# Allegro board BeagleBoard-X15_RevA2.brd (continued)
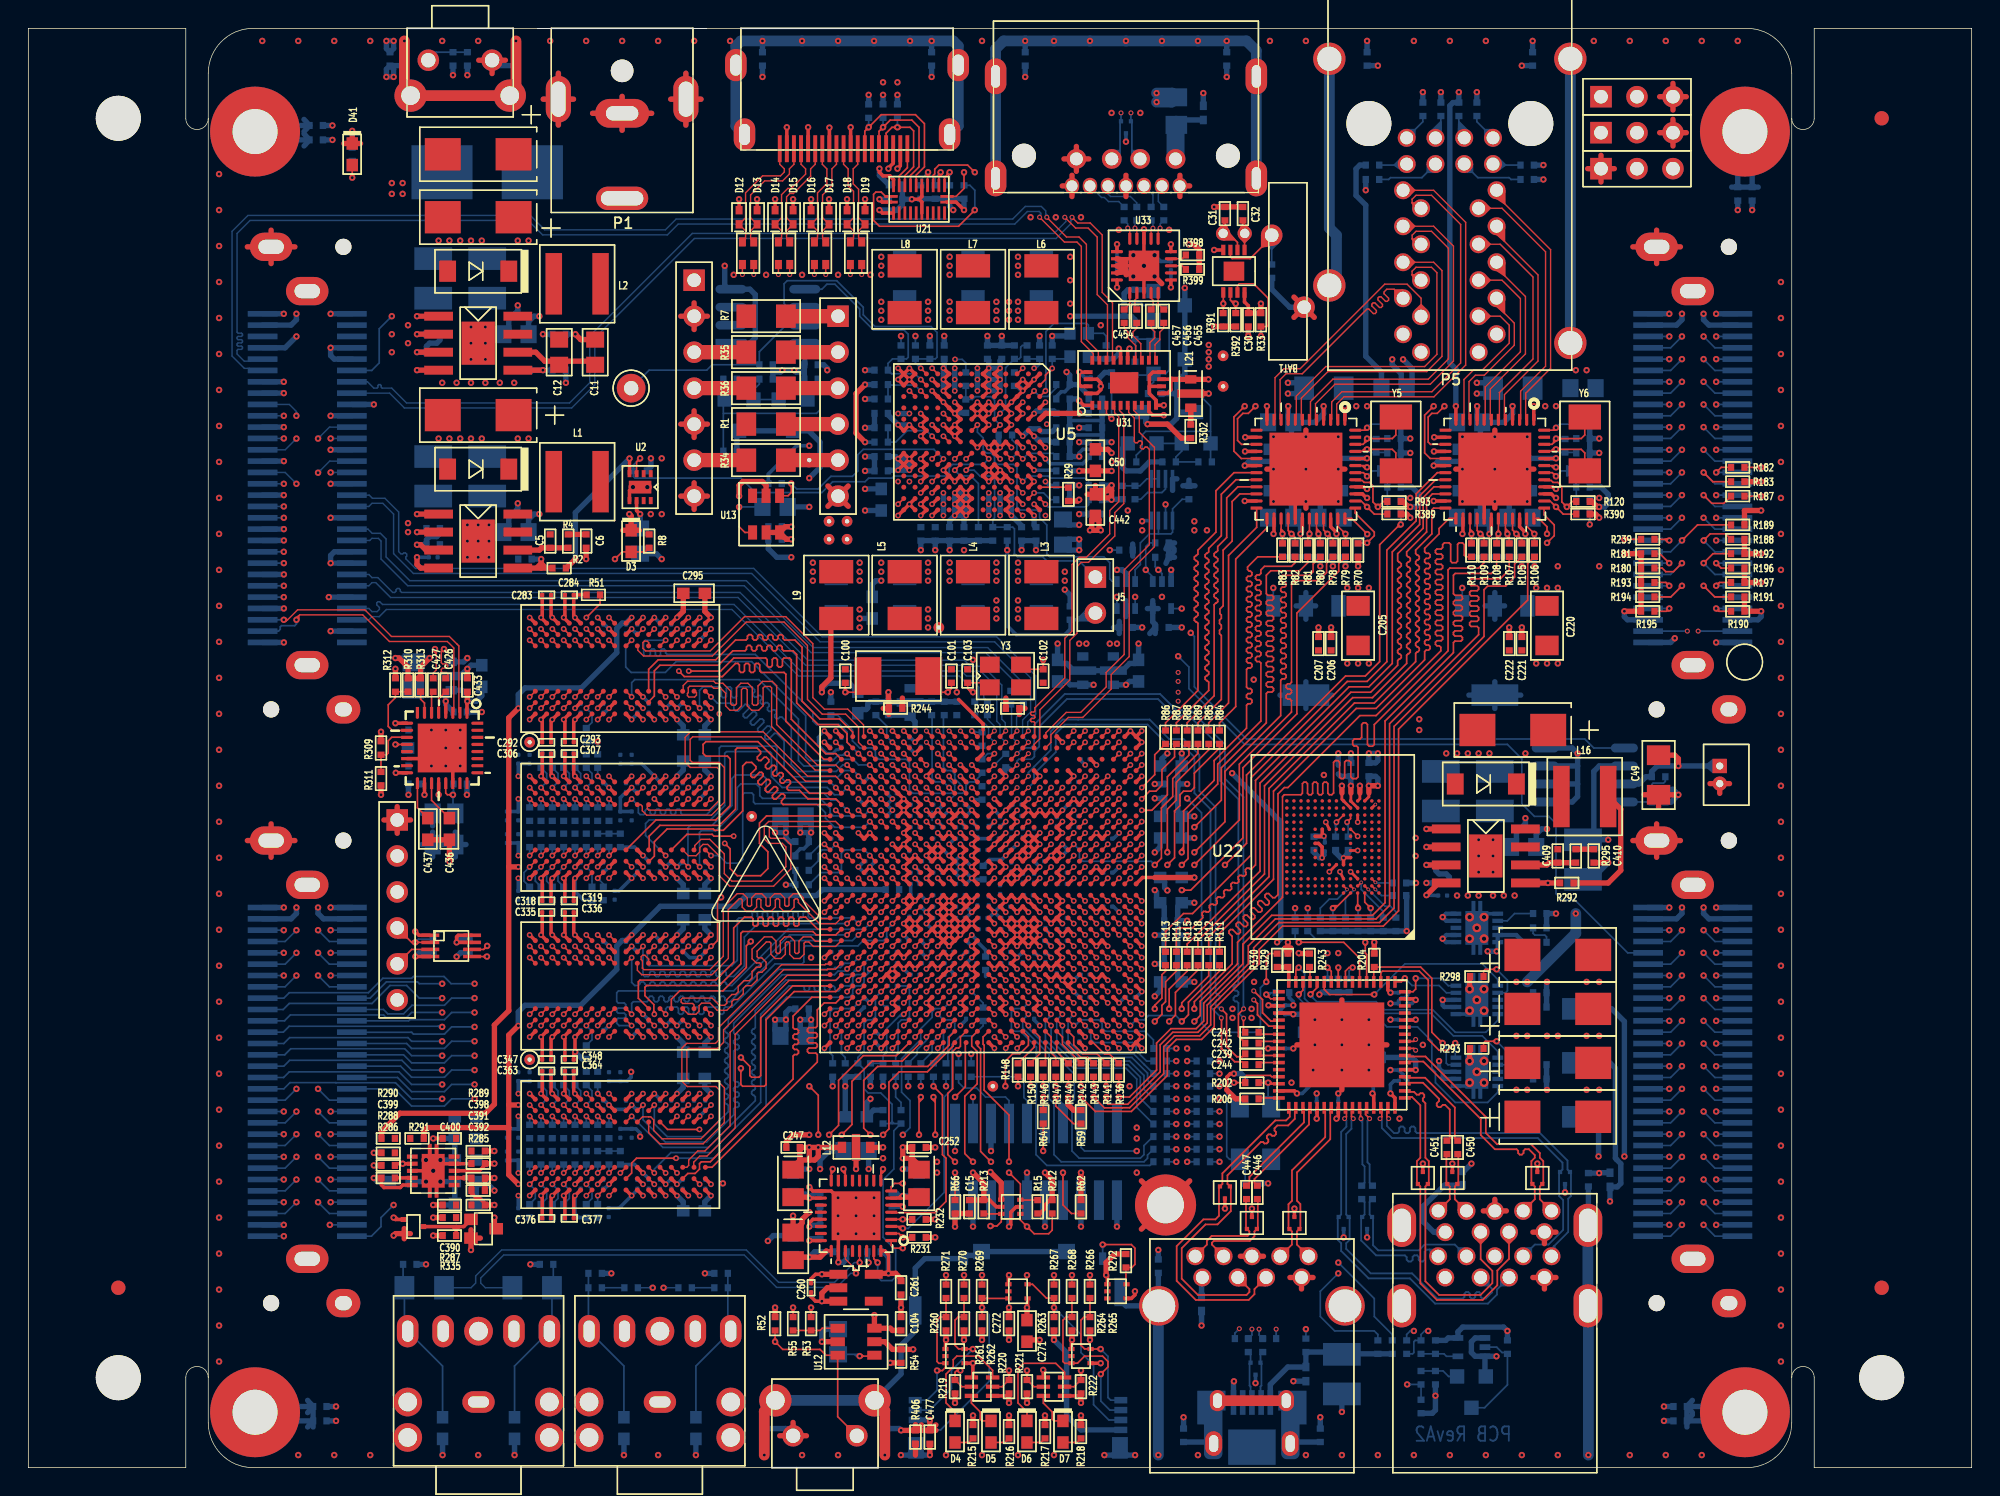
[diagram p0: board, top side]
## Copper pours and planes (outline as drawn; the poured copper is in the pictures) (continued)
DDR_VREFSTL2 on SIG_L5: 38.1,19.94 38.35,19.68 38.86,19.68 39.12,19.94 39.12,21.46 38.99,21.59 37.85,21.59 37.85,21.46 38.1,21.21
E0_DVDDL on PWR_L7: 85.22,65.15 85.22,74.17 85.47,74.42 94.87,74.42 95.12,74.17 95.12,65.15 94.87,64.9 85.47,64.9
E1_DVDDL on PWR_L7: 98.55,65.15 98.55,74.17 98.81,74.42 108.2,74.42 108.46,74.17 108.46,65.15 108.2,64.9 98.81,64.9
ETH0_1.2V on BOTTOM: 83.06,51.82 82.55,52.32 82.55,66.17 84.58,68.2 84.58,73.53 85.34,74.3 87.38,74.3 87.63,74.04 87.63,73.53 87.38,73.28 85.6,73.28 85.34,73.03 85.34,70.36 85.6,70.1 86.49,70.1 86.74,69.85 86.74,67.56 87.5,67.56 87.76,67.31 87.76,66.8 87.5,66.55 87.5,65.66 88.01,65.15 88.01,63.88 90.3,63.88 90.93,63.25 94.11,63.25 94.36,63.5 94.36,66.04 94.11,66.29 93.35,66.29 93.09,66.55 92.84,66.55 92.58,66.8 92.58,67.31 92.84,67.56 96.77,67.56 97.03,67.31 97.03,66.55 97.28,66.29 97.28,52.07 97.03,51.82 ; 3 cut-outs
ETH0_3V3 on TOP: 94.74,62.1 94.74,60.58 94.61,60.45 93.09,60.45 92.96,60.58 92.96,62.1 93.09,62.23 94.61,62.23
ETH0_3V3 on BOTTOM: 92.33,74.93 92.58,74.68 95.63,74.68 95.89,74.93 95.89,76.58 95.63,76.83 92.58,76.83 92.33,76.58
ETH0_3V3 on BOTTOM: 94.61,62.23 94.74,62.1 94.74,60.33 94.49,60.07 92.2,60.07 91.95,60.33 91.95,61.98 92.2,62.23
ETH0_3V3 on PWR_L6: 86.49,60.07 85.34,61.21 85.34,84.84 85.6,85.09 98.04,85.09 98.3,84.84 98.3,60.33 98.04,60.07
ETH1_1.2V on BOTTOM: 97.54,52.07 97.54,66.29 98.3,67.06 98.3,68.83 98.04,69.09 98.04,73.53 98.81,74.3 100.84,74.3 101.09,74.04 101.09,73.53 100.84,73.28 99.06,73.28 98.81,73.03 98.81,70.36 99.06,70.1 99.82,70.1 100.08,69.85 100.08,67.56 100.84,67.56 101.09,67.31 101.09,66.8 100.84,66.55 100.84,65.66 101.35,65.15 101.35,63.88 104.52,63.88 105.16,63.25 106.55,63.25 106.81,63.5 106.81,66.29 106.55,66.55 106.17,66.55 105.92,66.8 105.92,67.31 106.17,67.56 111.51,67.56 111.76,67.31 111.76,52.07 111.51,51.82 97.79,51.82 ; 2 cut-outs
ETH1_3V3 on TOP: 108.08,62.1 108.08,60.58 107.95,60.45 106.43,60.45 106.3,60.58 106.3,62.1 106.43,62.23 107.95,62.23
ETH1_3V3 on BOTTOM: 105.66,74.93 105.92,74.68 108.97,74.68 109.22,74.93 109.22,76.58 108.97,76.83 105.92,76.83 105.66,76.58
ETH1_3V3 on BOTTOM: 107.95,62.23 108.08,62.1 108.08,60.33 107.82,60.07 105.54,60.07 105.28,60.33 105.28,61.98 105.54,62.23
ETH1_3V3 on PWR_L6: 111.51,60.33 111.25,60.07 98.81,60.07 98.55,60.33 98.55,84.84 98.81,85.09 111.25,85.09 111.51,84.84
LDO_VRTC on BOTTOM (solid shape): 75.34,60.34 74.84,59.85 74.08,59.85 73.99,59.94 74.77,60.72
LDO_VRTC on SIG_L10: 67.44,47.37 67.44,54.61 73.53,60.71 75.31,60.71 75.56,60.45 75.56,60.2 75.31,59.94 73.91,59.94 68.83,54.86 68.83,47.37 68.45,46.99 67.82,46.99
MMC2_3V3 on PWR_L6: 97.16,37.47 86.74,37.47 86.49,37.72 86.49,59.56 86.74,59.82 97.16,59.82 97.41,59.56 97.41,37.72
Net_142 on PWR_L6: 10.67,0.38 10.67,6.99 11.18,7.49 12.32,7.49 12.32,94.11 11.18,94.11 10.67,94.61 10.67,101.22 0.38,101.22 0.38,0.38
Net_143 on GND_L11: 10.67,0.38 10.67,6.99 11.18,7.49 12.32,7.49 12.32,94.11 11.18,94.11 10.67,94.61 10.67,101.22 0.38,101.22 0.38,0.38
Net_144 on GND_L11: 126.49,0.38 126.49,6.99 125.98,7.49 124.84,7.49 124.84,94.11 125.98,94.11 126.49,94.61 126.49,101.22 136.78,101.22 136.78,0.38
Net_145 on SIG_L10: 10.67,0.38 10.67,6.99 11.18,7.49 12.32,7.49 12.32,94.11 11.18,94.11 10.67,94.61 10.67,101.22 0.38,101.22 0.38,0.38
Net_146 on SIG_L10: 126.49,0.38 126.49,6.99 125.98,7.49 124.84,7.49 124.84,94.11 125.98,94.11 126.49,94.61 126.49,101.22 136.78,101.22 136.78,0.38
Net_147 on GND_L9: 10.67,0.38 10.67,6.99 11.18,7.49 12.32,7.49 12.32,94.11 11.18,94.11 10.67,94.61 10.67,101.22 0.38,101.22 0.38,0.38
Net_148 on GND_L9: 126.49,0.38 126.49,6.99 125.98,7.49 124.84,7.49 124.84,94.11 125.98,94.11 126.49,94.61 126.49,101.22 136.78,101.22 136.78,0.38
Net_149 on SIG_L8: 10.67,0.38 10.67,6.99 11.18,7.49 12.32,7.49 12.32,94.11 11.18,94.11 10.67,94.61 10.67,101.22 0.38,101.22 0.38,0.38
Net_150 on SIG_L8: 126.49,0.38 126.49,6.99 125.98,7.49 124.84,7.49 124.84,94.11 125.98,94.11 126.49,94.61 126.49,101.22 136.78,101.22 136.78,0.38
Net_151 on PWR_L7: 10.67,0.38 10.67,6.99 11.18,7.49 12.32,7.49 12.32,94.11 11.18,94.11 10.67,94.61 10.67,101.22 0.38,101.22 0.38,0.38
Net_152 on PWR_L7: 126.49,0.38 126.49,6.99 125.98,7.49 124.84,7.49 124.84,94.11 125.98,94.11 126.49,94.61 126.49,101.22 136.78,101.22 136.78,0.38
Net_153 on PWR_L6: 126.49,0.38 126.49,6.99 125.98,7.49 124.84,7.49 124.84,94.11 125.98,94.11 126.49,94.61 126.49,101.22 136.78,101.22 136.78,0.38
Net_154 on SIG_L5: 10.67,0.38 10.67,6.99 11.18,7.49 12.32,7.49 12.32,94.11 11.18,94.11 10.67,94.61 10.67,101.22 0.38,101.22 0.38,0.38
Net_155 on SIG_L5: 126.49,0.38 126.49,6.99 125.98,7.49 124.84,7.49 124.84,94.11 125.98,94.11 126.49,94.61 126.49,101.22 136.78,101.22 136.78,0.38
Net_156 on GND_L4: 10.67,0.38 10.67,6.99 11.18,7.49 12.32,7.49 12.32,94.11 11.18,94.11 10.67,94.61 10.67,101.22 0.38,101.22 0.38,0.38
Net_157 on GND_L4: 126.49,0.38 126.49,6.99 125.98,7.49 124.84,7.49 124.84,94.11 125.98,94.11 126.49,94.61 126.49,101.22 136.78,101.22 136.78,0.38
Net_158 on INT_L3: 126.49,0.38 126.49,6.99 125.98,7.49 124.84,7.49 124.84,94.11 125.98,94.11 126.49,94.61 126.49,101.22 136.78,101.22 136.78,0.38
Net_159 on INT_L3: 10.67,0.38 10.67,6.99 11.18,7.49 12.32,7.49 12.32,94.11 11.18,94.11 10.67,94.61 10.67,101.22 0.38,101.22 0.38,0.38
Net_160 on GND_L2: 10.67,0.38 10.67,6.99 11.18,7.49 12.32,7.49 12.32,94.11 11.18,94.11 10.67,94.61 10.67,101.22 0.38,101.22 0.38,0.38
Net_160 on GND_L2: 126.49,0.38 126.49,6.99 125.98,7.49 124.84,7.49 124.84,94.11 125.98,94.11 126.49,94.61 126.49,101.22 136.78,101.22 136.78,0.38
PS_3V3 on TOP: 43.43,70.1 43.31,70.23 43.31,70.74 43.56,70.99 43.56,71.25 43.81,71.5 44.7,71.5 44.96,71.25 44.96,70.36 44.7,70.1
PS_3V3 on PWR_L6: 32.26,58.55 36.2,62.48 54.36,62.48 54.61,62.74 54.61,72.01 54.99,72.39 58.29,72.39 58.67,72.01 58.67,66.8 58.93,66.55 69.34,66.55 69.6,66.8 69.6,67.56 69.85,67.82 71.37,67.82 71.63,67.56 71.63,67.18 71.75,67.06 74.42,67.06 74.68,66.8 74.68,65.79 74.93,65.53 77.47,65.53 77.72,65.79 77.72,84.84 77.47,85.09 49.02,85.09 48.77,84.84 48.77,82.68 48.39,82.3 45.21,82.3 44.96,82.04 44.96,77.34 44.58,76.96 28.19,76.96 27.94,76.71 27.94,16.26 28.19,16 32,16 32.26,16.26
PS_3V3_TAP on TOP: 38.61,85.85 38.1,86.36 33.78,86.36 33.02,87.12 33.02,93.47 33.27,93.73 39.12,93.73 39.37,93.47 39.37,88.65 39.88,88.14 45.34,88.14 51.31,82.17 51.31,80.52 51.05,80.26 42.55,80.26 41.4,81.41 38.86,81.41 38.61,81.66
SMPS6 on TOP: 59.94,84.33 59.94,85.34 60.2,85.6 61.98,85.6 62.23,85.34 62.23,84.33 61.98,84.07 60.2,84.07
SMPS6 on BOTTOM: 62.23,84.33 61.98,84.07 60.2,84.07 59.94,84.33 59.94,85.34 60.2,85.6 61.98,85.6 62.23,85.34
SMPS6 on SIG_L5: 61.09,86.11 60.83,86.36 45.72,86.36 45.47,86.11 45.47,75.18 45.72,74.93 58.42,74.93 58.67,75.18 58.67,82.42 59.05,82.8 60.83,82.8 61.09,83.06
SMPS_1_2 on TOP: 66.29,59.44 66.29,60.45 67.31,61.47 68.33,61.47 68.58,61.21 68.58,59.44 68.33,59.18 66.55,59.18
SMPS_1_2 on TOP: 69.6,59.44 69.6,61.21 69.85,61.47 70.87,61.47 71.88,60.45 71.88,59.44 71.63,59.18 69.85,59.18
SMPS_1_2 on BOTTOM: 69.6,59.69 69.6,61.21 69.85,61.47 70.1,61.47 70.61,60.96 71.63,60.96 71.88,60.71 71.88,59.69 71.63,59.44 69.85,59.44
SMPS_1_2 on BOTTOM: 66.29,59.69 66.29,60.71 66.55,60.96 67.56,60.96 68.07,61.47 68.33,61.47 68.58,61.21 68.58,59.69 68.33,59.44 66.55,59.44
SMPS_1_2 on SIG_L8: 60.96,64.9 58.29,67.56 56.9,67.56 52.07,72.39 45.97,72.39 45.72,72.14 45.72,70.36 45.97,70.1 50.55,70.1 58.8,61.85 64.01,61.85 66.17,59.69 70.36,59.69 70.61,59.94 70.61,61.59 67.31,64.9
SMPS_4/5 on TOP: 64.77,84.33 64.77,85.34 65.02,85.6 66.8,85.6 67.06,85.34 67.06,84.33 66.8,84.07 65.02,84.07
SMPS_4/5 on TOP: 69.6,84.33 69.6,85.34 69.85,85.6 71.63,85.6 71.88,85.34 71.88,84.33 71.63,84.07 69.85,84.07
SMPS_4/5 on BOTTOM: 67.06,84.33 66.8,84.07 65.02,84.07 64.77,84.33 64.77,85.34 65.02,85.6 66.8,85.6 67.06,85.34
SMPS_4/5 on BOTTOM: 71.88,84.33 71.63,84.07 69.85,84.07 69.6,84.33 69.6,85.34 69.85,85.6 71.63,85.6 71.88,85.34
SMPS_4/5 on SIG_L8: 70.61,86.11 70.36,86.36 45.72,86.36 45.47,86.11 45.47,77.85 45.72,77.6 55.37,77.6 55.63,77.85 55.63,79.88 56.01,80.26 70.36,80.26 70.61,80.52
SW1 on TOP: 72.39,62.48 72.64,62.74 72.64,65.02 70.87,66.8 69.22,66.8 68.71,67.31 68.71,68.83 68.2,69.34 68.07,69.22 68.07,66.17 69.22,65.02 69.22,62.74 69.47,62.48
SW1 on SIG_L5: 69.09,62.48 69.09,65.41 68.33,66.17 68.33,69.09 68.58,69.34 71.12,69.34 71.37,69.09 71.37,62.48 71.12,62.23 69.34,62.23
SW2 on TOP: 65.53,62.74 65.79,62.48 68.71,62.48 68.96,62.74 68.96,64.9 67.82,66.04 67.82,68.96 67.44,69.34 67.31,69.34 66.93,68.96 66.93,67.31 65.53,65.91
SW2 on SIG_L5: 66.55,62.23 68.58,62.23 68.83,62.48 68.83,65.28 68.07,66.04 68.07,69.09 67.82,69.34 66.55,69.34 66.29,69.09 66.29,62.48
SW3 on TOP: 65.15,69.22 65.02,69.34 64.77,69.34 64.39,68.96 64.39,67.18 64.01,66.8 61.98,66.8 60.71,65.53 60.71,62.74 60.96,62.48 64.39,62.48 64.64,62.74 64.64,64.9 65.28,65.53 65.28,66.8 65.15,66.93
SW3 on SIG_L5: 62.99,62.48 62.99,69.09 63.25,69.34 65.79,69.34 66.04,69.09 66.04,62.48 65.79,62.23 63.25,62.23
SW4 on TOP: 66.68,75.44 66.42,75.44 66.29,75.56 66.29,78.36 68.96,81.03 68.96,81.79 69.09,81.92 72.39,81.92 72.64,81.66 72.64,78.99 71.63,77.98 67.44,77.98 67.18,77.72 67.18,75.95
SW4 on SIG_L5: 70.36,82.55 70.61,82.3 70.61,75.69 70.36,75.44 66.55,75.44 66.29,75.69 66.29,82.3 66.55,82.55
SW5 on TOP: 65.91,75.44 65.66,75.44 65.15,75.95 65.15,77.98 64.77,78.36 64.77,82.3 65.02,82.55 67.56,82.55 67.82,82.3 67.82,80.26 66.04,78.49 66.04,75.56
SW5 on SIG_L5: 65.79,82.55 66.04,82.3 66.04,75.69 65.79,75.44 63.37,75.44 63.12,75.69 63.12,82.3 63.37,82.55
SW6 on TOP: 62.74,74.04 62.74,73.91 62.61,73.79 60.2,73.79 59.44,74.55 59.44,82.3 59.69,82.55 62.74,82.55 62.99,82.3 62.99,78.74 62.23,77.98 61.34,77.98 61.09,77.72 61.09,75.18 61.72,74.55 62.23,74.55
SW6 on SIG_L5: 59.82,73.66 58.93,74.55 58.93,82.3 59.18,82.55 62.61,82.55 62.87,82.3 62.87,73.91 62.61,73.66
SW9 on TOP: 55.88,62.74 56.13,62.48 59.56,62.48 59.82,62.74 59.82,64.01 60.45,64.64 60.45,65.66 61.09,66.29 61.09,69.09 61.47,69.47 62.36,69.47 62.74,69.85 62.74,70.1 62.61,70.23 60.2,70.23 59.44,69.47 59.44,67.18 59.05,66.8 57.79,66.8 55.88,64.9
SW9 on SIG_L5: 62.74,62.48 62.74,69.85 62.48,70.1 58.42,70.1 58.17,69.85 58.17,62.48 58.42,62.23 62.48,62.23
U1-8 on TOP: 37.59,67.31 37.59,71.5 37.34,71.75 33.78,71.75 33.53,71.5 33.53,70.1 33.78,69.85 34.8,69.85 35.05,69.6 35.05,67.69 34.92,67.56 34.42,67.56 34.29,67.44 34.29,67.18 34.42,67.06 37.34,67.06
U3-8 on TOP: 37.59,81.28 37.59,85.47 37.34,85.72 33.78,85.72 33.53,85.47 33.53,84.07 33.78,83.82 34.8,83.82 35.05,83.57 35.05,81.66 34.92,81.53 34.42,81.53 34.29,81.41 34.29,81.15 34.42,81.03 37.34,81.03
U28_8 on TOP: 108.71,45.09 108.71,49.28 108.46,49.53 104.9,49.53 104.65,49.28 104.65,47.88 104.9,47.62 105.92,47.62 106.17,47.37 106.17,45.47 106.05,45.34 105.54,45.34 105.41,45.21 105.41,44.96 105.54,44.83 108.46,44.83
U31_1V8 on SIG_L5: 75.18,73.91 75.18,79.25 75.44,79.5 82.8,79.5 83.06,79.25 83.06,77.72 83.82,76.96 83.82,73.91 83.57,73.66 75.44,73.66
USB1V on TOP: 104.65,26.67 104.65,24.64 106.17,24.64 106.17,26.67 105.92,26.92 104.9,26.92
USB1V on BOTTOM: 103.63,27.56 105.79,27.56 105.92,27.69 106.3,27.69 106.43,27.56 106.43,26.42 106.68,26.16 108.71,26.16 109.22,25.65 109.22,24.64 108.97,24.38 106.68,24.38 104.39,26.67 104.39,27.18 104.27,27.3 103.63,27.3
USB2_DRVBUS on GND_L9: 70.99,47.75 70.74,48.01 70.74,51.56 70.99,51.82 84.96,51.82 85.22,51.56 85.22,49.02 84.96,48.77 83.31,48.77 83.06,49.02 83.06,50.29 82.68,50.67 75.44,50.67 72.52,47.75
USB2V on TOP: 104.65,30.48 104.65,28.45 106.17,28.45 106.17,30.48 105.92,30.73 104.9,30.73
USB2V on BOTTOM: 105.79,30.73 106.55,29.97 108.71,29.97 109.22,29.46 109.22,28.45 108.97,28.19 107.95,28.19 107.7,28.45 107.7,28.7 107.44,28.96 106.68,28.96 106.43,28.7 106.43,28.32 106.3,28.19 105.92,28.19 105.54,27.81 103.63,27.81 103.63,28.07 104.39,28.07 104.78,28.45 104.78,30.48 105.03,30.73
USB3V on TOP: 108.33,30.48 108.33,31.37 106.68,33.02 105.41,33.02 105.16,32.77 105.16,32.13 107.06,30.23 108.08,30.23
USB3V on BOTTOM: 109.22,32.51 109.22,30.73 108.71,30.23 106.81,30.23 105.92,31.11 105.03,31.11 104.39,31.75 104.39,32.26 104.27,32.38 103.63,32.38 103.63,32.64 106.3,32.64 106.43,32.51 106.43,32.26 106.68,32 107.44,32 107.7,32.26 107.7,32.51 107.95,32.77 108.97,32.77
USB4V on TOP: 106.17,34.29 106.17,36.32 104.65,36.32 104.65,34.29 104.9,34.04 105.92,34.04
USB4V on BOTTOM: 106.43,34.29 106.43,33.4 106.3,33.27 105.92,33.27 105.54,32.89 103.63,32.89 103.63,33.15 104.39,33.15 104.78,33.53 104.78,34.42 104.9,34.54 106.17,34.54
USB_5V on TOP: 109.73,50.55 109.47,50.8 109.09,50.8 108.46,50.16 105.66,50.16 105.41,50.42 105.41,52.96 105.66,53.21 112.52,53.21 112.78,52.96 112.78,45.47 112.52,45.21 109.98,45.21 109.73,45.47
VDAC_3V3 on PWR_L6: 62.87,22.61 62.87,22.86 62.61,23.11 53.85,23.11 53.59,22.86 53.59,12.95 53.85,12.7 62.61,12.7 62.87,12.95
VTT on BOTTOM: 31.88,20.83 31.5,21.21 31.5,25.27 32.77,26.54 32.77,50.8 33.02,51.05 37.97,51.05 38.18,50.85 42.58,50.85 42.71,50.72 42.71,50.22 42.58,50.09 34.34,50.09 34.16,49.91 34.16,46.99 33.91,46.74 33.66,46.74 33.4,46.48 33.4,46.1 33.6,45.9 42.55,45.9 42.67,45.77 42.67,45.31 42.55,45.19 39.75,45.19 39.62,45.06 39.62,44.63 39.5,44.5 33.58,44.5 33.4,44.32 33.4,43.94 33.66,43.69 33.91,43.69 34.16,43.43 34.16,40.51 34.44,40.23 37.85,40.23 37.97,40.11 37.97,39.73 38.1,39.6 40.09,39.6 40.2,39.71 40.2,40.14 40.29,40.23 41.4,40.23 41.53,40.11 41.53,39.42 41.28,39.17 34.47,39.17 34.16,38.86 34.16,28.83 34.29,28.7 38.73,28.7 38.99,28.45 41.78,28.45 41.91,28.32 41.91,27.81 41.78,27.69 34.29,27.69 34.16,27.56 34.16,24.64 33.91,24.38 33.66,24.38 33.4,24.13 33.4,23.75 33.66,23.5 42.55,23.5 42.67,23.37 42.67,22.91 42.55,22.78 39.75,22.78 39.62,22.66 39.62,22.23 39.5,22.1 33.66,22.1 33.4,21.84 33.4,21.46 33.66,21.21 33.91,21.21 34.16,20.95 34.16,18.03 34.37,17.83 37.85,17.83 37.97,17.7 37.97,17.32 38.1,17.2 39.88,17.2 40.01,17.32 40.01,17.7 40.13,17.83 41.02,17.83 41.15,17.7 41.15,16.64 41.02,16.51 32.77,16.51 32.64,16.64 32.64,17.91 32.77,18.03 33.02,18.03 33.15,18.16 33.15,20.45 32.77,20.83
VTT_REFOUT on TOP: 30.1,21.84 30.61,21.84 30.86,22.1 31.24,22.1 31.37,22.23 31.37,23.24 31.24,23.37 30.1,23.37 29.97,23.24 29.97,21.97
VTT_VOSNS on TOP: 25.65,22.1 25.65,23.37 25.78,23.5 27.18,23.5 27.3,23.37 27.3,21.97 27.18,21.84 26.42,21.84 26.29,21.97 25.78,21.97
VUSB_3V3 on INT_L3: 77.98,58.04 78.49,57.53 78.49,52.83 79.76,51.56 79.76,47.12 79.63,46.99 78.36,46.99 77.09,48.26 77.09,67.56 77.34,67.82 77.72,67.82 77.98,67.56
VUSB_3V3 on PWR_L6: 69.6,46.48 69.6,45.47 69.72,45.34 79.5,45.34 79.76,45.59 79.76,47.24 79.5,47.5 79.25,47.5 78.74,46.99 70.1,46.99
VUSB_3V3 on SIG_L10: 70.36,70.36 70.61,70.61 77.72,70.61 77.98,70.36 77.98,67.56 77.72,67.31 70.61,67.31 70.36,67.56
N23730763 on SIG_L5: 65.02,37.85 70.87,37.85 71.12,38.1 71.12,41.53 70.87,41.78 68.07,41.78 67.82,42.04 67.82,51.94 67.56,52.2 62.1,52.2 61.98,52.07 61.98,51.05 64.01,49.02 64.52,49.02 64.77,48.77 64.77,38.1
N24165486 on SIG_L8: 68.96,43.81 69.34,43.81 70.1,44.58 70.1,44.83 69.85,45.09 69.47,45.09 68.83,44.45 68.83,43.94
N24165486 on SIG_L10: 78.11,55.5 78.36,55.24 78.36,49.15 72.64,43.43 68.83,43.43 68.71,43.56 68.71,44.2 69.98,45.47 71.5,45.47 75.69,49.66 75.69,52.7 76.2,53.21 76.2,55.24 76.45,55.5
N26024435 on SIG_L8: 68.45,45.09 68.45,44.7 68.2,44.45 67.56,44.45 67.06,44.96 64.9,44.96 64.64,45.21 64.64,46.48 65.15,46.99 67.06,46.99 67.94,46.1 67.94,45.59
N26024435 on SIG_L10: 67.44,46.99 64.77,46.99 64.64,46.86 64.64,45.47 64.77,45.34 65.28,45.34 66.17,44.45 68.58,44.45 69.85,45.72 71.37,45.72 75.44,49.78 75.44,52.83 75.95,53.34 75.95,55.24 75.69,55.5 75.06,55.5 72.14,52.58 72.14,50.29 68.58,46.74 67.69,46.74
5V_FAN on BOTTOM (solid shape): 119.43,49.53 118.87,49.02 118.39,49.43 118.36,49.53 118.39,49.63 118.87,50.04
BU_BATT on BOTTOM (solid shape): 88.3,86.46 87.8,85.96 87.76,85.94 87.71,85.96 87.22,86.46 87.76,87.01
E1_YEL on BOTTOM (solid shape): 100.91,95.02 100.94,95.07 101.01,95.06 101.74,94.32 101.35,93.86 100.88,94.28
J3_D2 on BOTTOM (solid shape): 99.65,95.06 99.72,95.07 99.75,95.02 99.78,94.28 99.31,93.86 98.92,94.32
PWRON on INT_L3 (solid shape): 28.77,98.81 28.26,98.31 28.23,98.29 28.2,98.31 27.69,98.81 28.23,99.36
N29513057 on INT_L3 (solid shape): 114.08,91.16 113.57,90.65 113.54,90.64 113.5,90.65 113,91.16 113.54,91.71

Small or netless copper shapes (teardrops, artwork), in the pictures only: 947 on TOP, 543 on BOTTOM, 254 on INT_L3, 274 on SIG_L5, 4 on PWR_L6, 191 on SIG_L8, 58 on GND_L9, 252 on SIG_L10

## Text on the board
BOTTOM: PCB RevA2 | LAYER 12 | SOLDER
Board Geometry/Soldermask Bottom: SMS
Ref Des/Silkscreen Bottom: INSTALLING BATTERY | REMOVE R416 WHEN | BSLK
TOP: LAYER 1 | COMPONENT
Board Geometry/Soldermask Top: SMC
Ref Des/Silkscreen Top: TSLK
GND_L2: LAYER 2 | GROUND
INT_L3: LAYER 3 | SIGNAL
GND_L4: LAYER 4 | GROUND
SIG_L5: LAYER 5 | SIGNAL
PWR_L6: LAYER 6 | PWR1
PWR_L7: LAYER 7 | PWR2
SIG_L8: LAYER 8 | SIGNAL
GND_L9: LAYER 9 | GROUND
SIG_L10: LAYER 10 | SIGNAL
GND_L11: LAYER 11 | GROUND
DISPLAY_TOP: SERIAL DEBUG | POWER | SD/eMMC | SATA/SD | FAN | DC | 3.3V | 12V | GND | 5V | AM572X | CURRENT MON | RESET | HDMI | uSD | USB3_1 | USB_2/3 | SPC
DIMENSION: 4 PLACES | SCORE LINE | SEE DETAIL "A"
DISPLAY_BOTTOM: JTAG | uSD | SPS
USER_PART_NUM_TOP: TSLKC
USER_PART_NUM_BOTTOM: BSLKC
User.14: LAYER 1 - PRIMARY SIDE - SIGNAL | LAYER 2 - GROUND PLANE | LAYER 3 - INT. SIGNAL | LAYER 4 - GROUND PLANE | LAYER 5 - INT. SIGNAL | LAYER 6 - POWER PLANE | LAYER 7 - POWER PLANE | LAYER 8 - INT. SIGNAL | LAYER 9 - GROUND PLANE | LAYER 10- INT. SIGNAL | LAYER 11- GROUND PLANE | LAYER 12- SECONDARY SIDE - SIGNAL | COPPER WEIGHT | HALF+PLATING | (OZ) | 50ohm SINGLE ENDED | IMPEDANCE CONTROL | +/- 10% | TRACE WIDTH | TRACE WIDTH / SPACE | 90ohm DIFFERENTIAL | 100ohm DIFFERENTIAL | FINISHED AS SMOOTH WALL BY VENDOR. | PROCESS NOTES: | 2. APPLY LPI SOLDERMASK OVER BARE COPPER (SMOBC), | COLOR: BLACK. SOLDERMASK SHALL CONFIRM TO IPC-SM-840. | CLASS H. CURRENT REV. | 3. SOLDERMASK ARTWORK HAS ZERO (0) OVERSIZED PADS. | FABRICATION VENDOR IS ALLOWED TO ADJUST THE COMPONENT | SOLDERMASK PADS TO MEET THEIR TOOLING REQUIREMENTS. | 4. APPLY LPI SILKSCREEN OR EQUIVALENT PER THE ARTWORK. | COLOR: ORANGE. | 1. PLATE ALL EXPOSED AREAS WITH ELECTROLESS | IMMERSION GOLD, NICKEL 150 MICROINCHES THK MIN | GOLD 5-15 MICROINCHES THK MIN. | SUPPLIED IPC-D-356 NETLIST. | 1. ALL DIMENSIONS ARE IN INCHES, UNLESS | OTHERWISE NOTED. | 2. THE PWB SHALL BE FABRICATED TO IPC-6012, | CLASS 2 AND WORKMANSHIP SHALL CONFORM TO | IPC-A-600, CLASS 2. CURRENT REVISIONS. | 3. BOARD MATERIAL SHALL BE 180 Tg/350 Td ISOLA FR-370HR | OR EQUIVALENT, RoHS COMPLIANT AND LEAD FREE | ASSEMBLY CAPABLE.  BOARD MATERIAL SHALL | MEET OR EXCEED IPC-4101B. COLOR: NATURAL. | 4. BOARD MATERIAL & CONSTRUCTION TO BE U.L. | APPROVED AND MARKED ON THE FINISHED BOARD. | 5. MINIMUM COPPER WALL THICKNESS OF PLATED-THRU | HOLES TO BE .001 INCH, WITH A MINIMUM | ANNULAR RING OF .002 INCH. | 6. OVERALL BOARD THICKNESS TO BE .062 +/- 10% | AND APPLIES AFTER ALL LAMINATION AND PLATING | PROCESSES, MEASURED FROM COPPER TO COPPER. | 7. MAX. WARP & TWIST TO BE .0075 INCHES PER INCH. | 8. BOARD MUST BE ELECTRICALLY TESTED USING | 9. FOR BACKDRILL INFO. SEE GERBER FILE (BACKDRILL_12-4.ART). | FAB NOTES: | ALL DIMENSIONS IN MILS | LAYER# | LAYER STACK-UP | 1 | 4.72 | 3.70 | 5.00/9.00 | 4.50/10.00 | 4.00/10.00 | 3.70/12.00 | SCALE=NONE | o
User.15: C78 | C200 | C201 | C57 | C52 | C79 | C86 | C85 | C146 | C128 | C154 | C147 | C182 | C198 | C56 | C66 | C87 | C88 | C91 | C90 | C129 | C89 | C71 | C273 | C192 | C185 | C498 | C68 | C62 | C84 | C77 | C82 | C83 | C153 | C143 | C177 | C69 | C150 | C142 | C145 | C183 | C155 | C51 | C74 | C60 | C59 | C204 | C75 | C152 | C72 | C144 | C199 | C141 | C203 | C166 | 6 | 1 | R290 | C399 | R288 | R286 | U27 | U3 | U1 | C9 | C8 | C2 | 3 | R291 | Q5 | D2 | D1 | C390 | R287 | C400 | R335 | U20 | R289 | C398 | C391 | C392 | R285 | Q6 | U7 | TP20 | TP21 | C292 | C306 | C347 | C363 | C283 | 4 | C318 | C335 | C376 | 2 | C284 | R4 | R2 | L1 | C293 | C307 | C319 | C336 | C348 | C364 | C377 | R51 | L2 | TP4 | U2 | C295 | U13 | 7 | 9 | C247 | 28 | 11 | 12 | 10 | 13 | U18 | Y2 | L8 | N | R231 | R244 | M | U21 | L | K | C252 | 22 | J | 24 | 23 | H | L7 | G | R395 | F | E | Y3 | D | C | B | L6 | A | Q4 | 5 | 25 | C50 | C442 | C454 | U31 | J5 | U33 | AH | AF | AD | AB | W | U | R | AG | AE | AC | AA | Y | V | T | P | 15 | R398 | R399 | U6 | C241 | C242 | C239 | C244 | R202 | R206 | U17 | 49 | 64 | 48 | 14 | 18 | 33 | 16 | Y5 | 17 | 32 | R93 | R389 | D24 | R298 | R293 | U28 | C403 | R292 | L16 | Y6 | R120 | R390 | R181 | R180 | R193 | R194 | R239 | R195 | R190 | R182 | R183 | R187 | R189 | R188 | R192 | R196 | R197 | R191 | 30 | R396 | R397 | C443 | C473 | R401 | 31 | 60 | FB7 | R119 | C232 | C233 | C234 | R122 | R123 | R317 | U32 | R200 | R203 | R201 | L19 | L17 | R68 | R91 | FB5 | L18 | C414 | C412 | C407 | C405 | R296 | C401 | C229 | C225 | C224 | C440 | U42 | R297 | R294 | C408 | C228 | Q2 | C402 | U16 | U30 | U29 | C226 | C227 | FB8 | FB6 | C492 | C489 | C493 | C488 | C487 | C270 | R255 | C217 | C218 | C219 | R95 | R96 | R316 | FB3 | R92 | C486 | C481 | FB1 | R90 | R69 | R328 | C491 | C214 | C211 | C209 | R31 | C494 | C483 | Y7 | C213 | Q1 | C246 | C482 | C490 | C235 | C240 | C210 | TP17 | TP18 | C212 | FB2 | FB4 | R430 | Y1 | R130 | R131 | R132 | R128 | R129 | R126 | R124 | R125 | C130 | C245 | C237 | C238 | C54 | C131 | C53 | R127 | C63 | C64 | C70 | C80 | U34 | R42 | R44 | P7 | C122 | C97 | R140 | U10 | R138 | R134 | R139 | R135 | R145 | R133 | R152 | R149 | R153 | R428 | R424 | C119 | C120 | C114 | C121 | R41 | 20 | U9 | C28 | C20 | C16 | 19 | C94 | C117 | C118 | C187 | C188 | C19 | R24 | R32 | C27 | C195 | C65 | C126 | C116 | C115 | C134 | C194 | C124 | C55 | C421 | Y9 | C110 | C67 | C34 | R30 | C26 | C29 | C21 | C22 | C25 | C18 | C17 | R421 | P4 | C125 | C149 | C243 | C236 | C61 | C58 | TP6 | R411 | C139 | C76 | C499 | C95 | C186 | C172 | C173 | C191 | C176 | C264 | C265 | C170 | C162 | C164 | C181 | C262 | C196 | C175 | C169 | C96 | C274 | TP8 | TP9 | C159 | C43 | R22 | R214 | C48 | C46 | C23 | R20 | R21 | R16 | C161 | C174 | C165 | C248 | C168 | C160 | C113 | FB9 | C81 | TP7 | TP5 | C179 | C156 | TP13 | R56 | C163 | R273 | R274 | R334 | U8 | C180 | R58 | C111 | R235 | C255 | R37 | C112 | R420 | R429 | C350 | C327 | C387 | C369 | C312 | C341 | C361 | R230 | R233 | R10 | R276 | R234 | C256 | R12 | R13 | R226 | R14 | C1 | C7 | C250 | R5 | F1 | C394 | C430 | C435 | R9 | R11 | C13 | C432 | R3 | R6 | C4 | C251 | Y8 | C393 | C395 | C396 | C397 | C428 | R228 | C389 | C429 | C434 | C472 | R400 | C474 | R402 | D3 | D4 | D5 | D6 | D7 | D29 | D40 | Q9 | D32 | D41 | R309 | R311 | SERIAL DEBUG | R312 | R310 | R313 | C437 | C427 | C426 | C436 | C433 | C5 | C12 | C11 | C6 | POWER | R8 | R7 | R35 | R36 | R1 | R34 | FL1 | D12 | D13 | R52 | FL2 | L15 | L13 | D14 | R55 | D15 | L9 | C260 | FL3 | R53 | D16 | U12 | U19 | L12 | D17 | FL4 | C100 | D18 | D19 | L5 | C261 | C104 | R54 | R406 | C477 | R260 | D20 | L14 | R232 | R219 | R271 | C101 | R66 | R270 | C103 | Q3 | C15 | R215 | L4 | R269 | R261 | R213 | R262 | C272 | R220 | R148 | R216 | U4 | D21 | R221 | R150 | R15 | R263 | C271 | C102 | R64 | R146 | L3 | R217 | R212 | R267 | R147 | D22 | R29 | R144 | R268 | R218 | R59 | R62 | R142 | R266 | R222 | R143 | R264 | R141 | R272 | R265 | R136 | D23 | R86 | R113 | C457 | R87 | R114 | C456 | R88 | R115 | L21 | C455 | R89 | R118 | R302 | R85 | R112 | R391 | C31 | R84 | R111 | R392 | C447 | C30 | R330 | C32 | C446 | R33 | R329 | R83 | R82 | R81 | C207 | R80 | R243 | C206 | R78 | R79 | R70 | R204 | C205 | C451 | C450 | R110 | R109 | R108 | R107 | C222 | R105 | C221 | R106 | C409 | C220 | R295 | C410 | C413 | C411 | C406 | C404 | C49 | R403 | C475 | D34 | C445 | R300 | R121 | C223 | R100 | R99 | R331 | R408 | R101 | R102 | R103 | D36 | R97 | R104 | R415 | R117 | R413 | R98 | R414 | R412 | R116 | R256 | R410 | C495 | R409 | C448 | R257 | C215 | R320 | C479 | R252 | R249 | R207 | R94 | R71 | R253 | C208 | C268 | C485 | C449 | R251 | R72 | R258 | C269 | R250 | R73 | R254 | R386 | C484 | C266 | R74 | R259 | R209 | C267 | REMOVE R416 WHEN | R75 | R394 | INSTALLING BATTERY | R76 | R393 | D42 | R315 | R416 | R77 | R211 | R210 | R314 | D37 | D35 | R299 | C420 | R425 | R405 | C418 | C417 | R423 | C470 | L20 | C416 | C231 | C419 | C202 | C476 | P12 | R426 | R427 | R431 | R404 | R303 | L11 | C471 | C452 | C133 | L24 | R27 | C93 | C132 | C40 | C140 | C453 | C151 | C135 | C73 | C123 | R45 | C415 | C92 | C148 | R322 | C424 | C127 | C33 | R323 | C425 | R422 | R23 | C496 | C45 | C42 | C36 | R308 | C108 | C105 | R224 | R28 | C422 | R417 | R26 | R248 | C39 | C423 | R63 | R57 | C35 | R61 | C99 | C41 | C136 | R318 | R319 | R246 | C37 | R223 | R49 | TP19 | R245 | C500 | R229 | R50 | C158 | C44 | C38 | R40 | R247 | R227 | R387 | C254 | R38 | L10 | C24 | C137 | R225 | C193 | C167 | R242 | C184 | R385 | R39 | R17 | C197 | C138 | R241 | R46 | C253 | R19 | R333 | C98 | C189 | R18 | R47 | R237 | C190 | R43 | C109 | C171 | C178 | R205 | R48 | C258 | R321 | C259 | C157 | C47 | R419 | C257 | C249 | C230 | C441 | C317 | C375 | TP16 | R418 | C316 | C374 | C315 | C329 | C373 | C370 | C311 | C328 | C334 | C368 | C362 | C388 | C310 | C326 | R279 | R281 | C367 | C386 | R372 | R284 | R349 | R280 | R361 | R283 | C291 | C305 | C360 | C346 | R343 | R340 | R374 | R373 | C325 | C290 | C385 | C345 | R352 | R342 | R378 | R375 | C289 | C304 | C359 | C344 | R355 | R354 | D10 | R364 | R379 | C303 | C357 | R346 | R356 | C288 | C340 | R371 | R365 | C352 | C384 | C324 | C299 | R336 | R337 | C287 | C302 | C356 | C351 | R368 | R380 | C339 | C298 | C383 | C323 | R357 | R339 | R370 | R382 | R341 | C301 | C355 | C309 | C366 | C382 | C322 | C314 | C331 | R360 | C358 | C372 | R351 | D11 | C286 | C300 | C354 | C381 | C338 | C321 | R350 | C277 | C281 | C10 | C278 | C320 | C349 | C280 | C378 | C380 | C333 | C285 | C294 | R282 | C337 | R278 | R348 | C308 | C365 | R275 | R277 | R362 | C275 | R363 | C276 | C282 | C279 | R376 | R344 | R353 | R377 | R367 | R345 | R347 | R366 | R381 | R369 | R358 | R338 | R359 | C216 | R383 | C438 | C379 | C332 | C297 | C343 | C431 | C296 | C313 | C330 | D8 | C342 | C353 | C371 | C439 | C263 | R407 | D9 | C478 | L22 | R236 | C3 | L23 | C14 | R332 | R384 | R240 | D27 | D26 | D25 | D33 | D31 | D38 | D28 | D30 | U43 | Q10 | U44 | C497 | Q8 | U35 | BAT1 | Q7 | P8 | S1 | P10 | P1 | P2 | P11 | P9 | S2 | P3 | P6 | U5 | U22 | U14 | P13 | P5 | U15 | P15 | SD/eMMC | SATA/SD | FAN | DC | U23 | U24 | U26 | U25 | 3.3V | 12V | GND | 5V | AUDIO OUT | AUDIO IN | U11 | AM572X | J3 | J4 | J6 | J1 | USB CLIENT | JTAG | P17 | P19 | CURRENT MON | DC IN | RESET | HDMI | uSD | USB3_1 | eSATA | USB_2/3 | 2 X ETHERNET | P18 | P16 | * | Top Side View | Bottom Side View
User.16: NONE
User.33: 6.0 | 8.0 | 12.0 | 20.0 | 26.0 | 31.0 | 36.0 | 38.0 | 40.0 | 52.0 | 67.0 | 91.0 | 102.0 | 125.0 | 45.0 | 63.0 | 41.34x25.59 | 47.24x25.59 | 47.24x39.37 | 59.0x31.0 | 63.0x25.0 | 70.87x39.37 | 90.0x40.0 | 93.0x50.0 | 98.0x40.0 | 118.0x40.0 | DRILL CHART: TOP to BOTTOM | +3.0/-3.0 | +5.0/-5.0 | +4.0/-4.0 | PLATED | NON-PLATED | 7 | 2522 | 67 | 39 | 2 | 59 | 32 | 5 | 14 | 4 | 1 | 8 | 12 | FIGURE | SIZE | ALL UNITS ARE IN MILS | TOLERANCE | QTY
User.36: BACKDRILL: BOTTOM to GND_L4 | NOTES: | - DRILL SIZES LISTED IN LEGEND | ARE CONSIDERED FINISHED. | - VENDOR IS REQUIRED TO SELECT | TOOLING FOR OVERDRILLING. | - LEGEND DOES NOT SPECIFY DEPTH | INTO ADJACENT DIELECTRIC LAYER. | FIGURE | SIZE | 8.0 | ALL UNITS ARE IN MILS | TOLERANCE | +3.0/-3.0 | PLATED | QTY | 20
